# KiCad board ulx4m.kicad_pcb (continued)
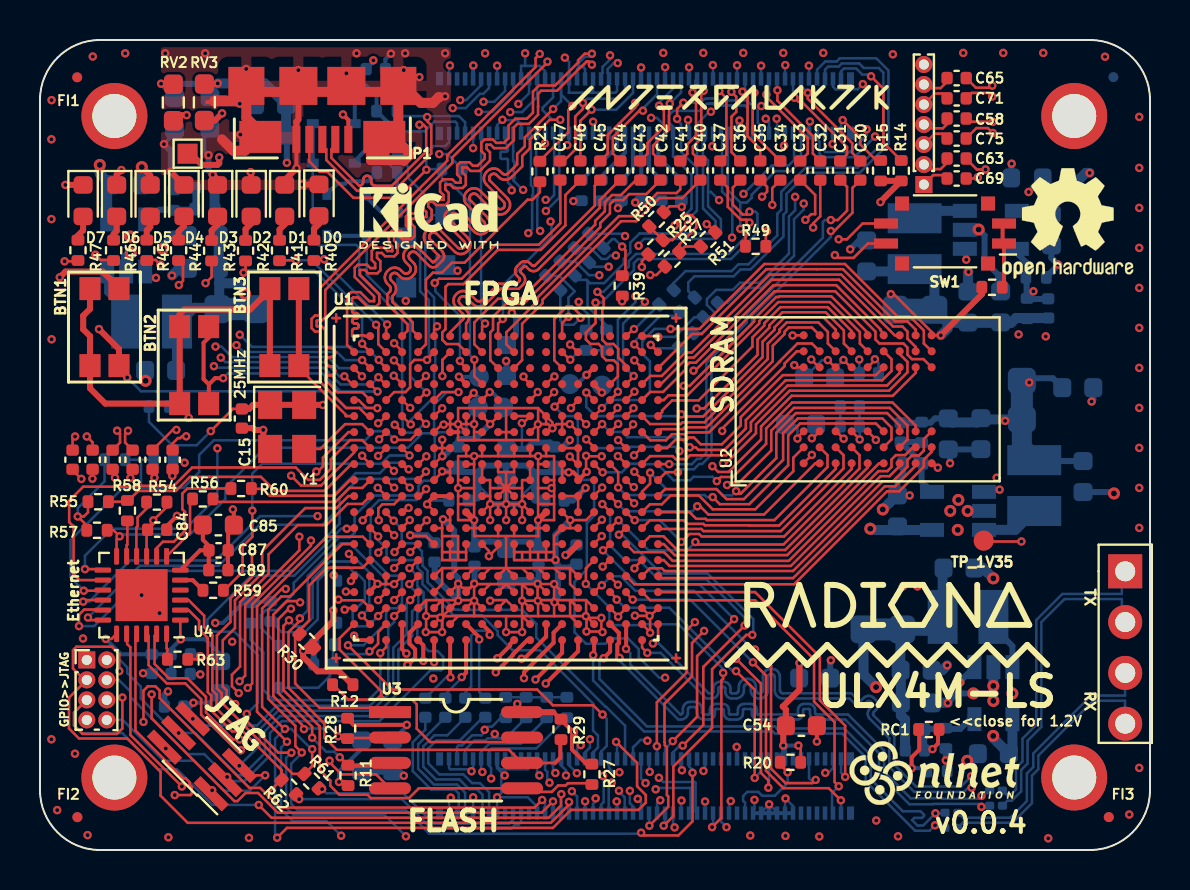
[diagram p0: board, top side]
## Routing (per net, layer and track width the routed paths; a pad name or vN(x,y) marks a point on that pad's centre or on a via; arc(x,y) is an arc through that point) (continued)
+3.3VA: length 13.5
  Top w0.127: v3(3.29,10.55) 3.58,10.55 U4.19 ; v3(7.04,10.53) 7.02,10.56 U4.1
  POWER.Cu w0.2: v3(7.04,10.53) 3.31,10.53 v3(3.29,10.55)
  Bottom w0.2: C90.1 6.56,8.8 C88.1 ; C90.1 C86.1 4.06,9.78 v3(3.29,10.55) ; C90.1 6.56,10.05 v3(7.04,10.53) 8.26,10.53 9.04,9.75 FB1.2
+5V: length 192.7
  Top w0.2: 15.42,35.23 15.42,36.5 v3(15.15,36.77)
  Top w0.3: R15.1 R14.1 42.03,32.41 v2(42.03,32.39)
  POWER.Cu w0.3: v2(28.9,32.09) 28.9,32.39 29.66,33.15 34.81,33.15 34.95,33.29 35.41,33.29 35.42,33.28 41.14,33.28 v2(42.03,32.39) 47.06,32.39 47.77,33.1 47.77,35.03 47.97,35.23 49.59,35.23 50.61,34.21 ; 46.04,3.08 45.79,3.33 45.79,4.74 46.03,4.97 v3(46.03,8.38) ; v3(5.8,28.6) 5.53,28.87 5.53,31.71 v1(2.99,34.25) 3.61,34.25 3.84,34.48 4.41,34.48 5.75,35.82 5.75,37.52 5.57,37.7 5.57,38.54 5.83,38.8 6.1,38.8 6.11,38.81 9.28,38.81 11.28,36.81 15.11,36.81 v3(15.15,36.77) ; 51.34,23.27 52.04,23.27 53.02,24.24 53.02,33.33 v3(52.49,33.85) ; v1(41.52,16.06) 44.1,16.06 45.91,14.26 51.34,14.26
  POWER.Cu w0.5: v3(47.99,18.02) 50.18,18.02 51.34,16.85 51.34,14.84 ; 50.57,34.23 50.59,34.21 52.13,34.21 v3(52.49,33.85) 48.15,29.51 v3(46.32,29.51) ; 51.34,14.84 51.34,9.38 v1(47.67,5.71) 40.04,5.71 38.41,4.08 38.28,4.08 37.97,3.77 37.97,3.27 v3(37.28,2.58) 36.76,2.58 v3(36.46,2.29) 35.95,2.29 v3(35.73,2.5) ; 51.34,14.84 51.07,15.11 51.07,20.95 51.23,21.11 51.23,23.16 51.34,23.27 ; v1(2.99,34.25) 1.85,33.11 1.85,26.63 1.17,25.95 1.17,25.25 0.95,25.04 0.95,6.21 1.45,5.7 4.81,5.7 6.75,3.76 7.35,3.76 7.73,3.39 7.73,2.08 7.43,1.78
  Bottom w0.127: v3(35.73,2.5) 35.73,2.07 35.66,1.99 ; v3(36.46,2.29) 36.06,1.88 J1.79 ; v3(36.46,2.29) 36.86,1.89 J1.83 ; v3(36.46,2.29) 36.46,2.28 J1.81 ; J1.85 37.26,2.55 v3(37.28,2.58) 37.66,2.2 J1.87
  Bottom w0.2: R13.1 28.07,32.46 R10.1 ; J1.77 J1.87
  Bottom w0.3: U5.1 46.03,8.44 v3(46.03,8.38) ; 46.25,30.06 46.32,29.99 v3(46.32,29.51) ; R10.1 29.07,32.26 v2(28.9,32.09) ; v3(5.8,28.6) 5.59,28.6 U6.1 ; U8.1 47.32,18.02 v3(47.99,18.02)
  Bottom w0.5: U5.4 48.63,4.99 C5.1 47.67,5.6 v1(47.67,5.71) ; U6.4 3.36,33.08 C1.1 2.99,33.81 v1(2.99,34.25) ; 44.61,16 41.58,16 v1(41.52,16.06) ; U7.4 50.4,31.96 52.29,33.85 v3(52.49,33.85)
/ethernet/VDDCR: length 4.2
  Top w0.2: C87.1 8.45,15.2 8.15,15.51 C85.1 ; C87.1 8.44,14.97 C89.1 ; C87.1 8.01,14.98 U4.6
/power/P1V1: length 11
  Bottom w0.3: L1.2 45.08,11.59
  Bottom w0.5: C22.1 45.14,14.05 L1.2 44.97,11.65 44.28,10.96 43.03,10.96 43.03,9 C4.1 43.05,8.98 C3.1 43.05,6.73 43.26,6.52 43.26,4.99 C2.1
GND: length 339.2
  Top w0.127: v3(20.11,10.89) v3(19.29,10.89) 19.31,10.91 v3(19.31,11.69) ; v3(20.11,10.89) 20.11,11.66 v3(20.91,12.46) ; v3(20.11,10.89) 20.11,11.53 v3(20.02,11.62) ; 19.31,12.49 v3(19.31,11.7) ; 19.31,12.49 U1.V5 ; 19.31,12.49 20.11,12.49 ; v3(19.31,11.69) 19.95,11.69 v3(20.02,11.62) ; 23.31,11.69 v3(23.31,10.89) v3(24.11,10.89) 24.11,11.69 ; 23.31,11.69 24.11,11.69 ; 23.31,11.69 21.71,11.69 ; U1.W12 24.11,11.69 ; 24.11,11.69 24.91,11.69 ; 24.11,11.69 v3(24.11,12.46) ; U1.W15 26.51,11.69 ; 26.51,11.69 26.51,12.47 ; 26.51,11.69 25.71,11.69 ; 26.51,11.69 27.29,11.69 v3(27.3,11.69) ; U1.W7 20.91,11.69 ; 20.91,11.69 21.71,11.69 ; 20.91,11.69 20.09,11.69 v3(20.02,11.62) ; U1.V16 27.31,12.49 ; 27.31,12.49 26.53,12.49 ; 27.31,12.49 27.31,11.7 v3(27.3,11.69) ; U1.V15 26.53,12.47 26.51,12.47 ; 26.51,12.47 26.53,12.49 ; U1.V13 24.93,12.47 24.91,12.47 ; 24.91,12.47 24.91,11.69 ; 24.91,12.47 24.93,12.49 ; 20.13,12.49 20.11,12.49 ; 20.13,12.49 20.88,12.49 v3(20.91,12.46) ; 20.13,12.49 20.13,11.73 v3(20.02,11.62) ; 20.11,12.49 U1.V6 ; U1.U12 24.15,13.25 24.11,13.25 ; 24.11,13.25 24.13,13.27 24.11,13.29 ; 24.11,13.25 v3(24.11,12.46) ; 22.51,13.29 23.31,13.29 ; 22.51,13.29 U1.U9 ; 22.51,13.29 21.73,13.29 v3(21.71,13.32) ; 23.31,13.29 U1.U10 ; 23.31,13.29 24.11,13.29 ; 23.31,13.29 U1.U11 ; 24.11,13.29 24.87,13.29 v3(24.88,13.31) ; 20.11,16.09 20.11,16.49 ; 20.11,16.09 20.11,15.69 ; 20.11,16.09 U1.N6 ; 20.11,16.49 20.51,16.49 ; 20.11,16.49 20.15,16.53 v3(20.15,16.53) ; 20.51,16.49 U1.N7 ; 20.51,16.49 U1.M7 ; v3(24.11,16.49) v3(24.11,17.29) ; v3(24.11,17.29) 23.71,17.29 ; v3(24.11,17.29) 24.11,17.69 ; v3(24.11,17.29) U1.M12 ; v3(22.51,16.49) v3(22.51,17.29) ; v3(22.51,17.29) U1.M9 ; v3(22.51,17.29) 22.91,17.29 ; v3(22.51,17.29) 22.51,17.69 ; 25.71,14.89 25.71,15.28 ; 25.71,14.89 25.31,14.89 ; 25.71,14.89 25.71,14.57 v3(25.78,14.5) 25.77,14.49 25.31,14.49 ; 25.71,15.28 25.71,15.69 U1.N14 26.51,16.09 ; 25.71,15.28 25.72,15.29 U1.P14 ; v3(26.51,16.49) 27.31,16.49 U1.M16 ; v3(26.51,16.49) 26.51,16.09 ; v3(26.51,16.49) U1.M14 ; 20.91,14.49 21.31,14.49 21.31,14.89 ; 20.91,14.49 20.91,14.89 ; 20.91,14.49 20.51,14.49 ; 20.91,14.89 20.91,15.69 20.11,15.69 ; 20.91,14.89 21.31,14.89 ; 20.91,14.89 20.51,14.89 ; 20.51,14.49 20.11,14.49 20.11,14.89 ; 20.51,14.49 20.51,14.89 ; U1.G11 U1.G10 ; U1.G9 21.71,20.89 ; 21.71,20.89 21.71,20.49 ; 21.71,20.89 v3(21.71,21.29) ; 23.31,22.09 24.91,22.09 ; 23.31,22.09 23.31,20.49 ; 23.31,22.09 21.71,22.09 ; 24.91,22.09 24.91,21.3 v3(24.9,21.29) ; 24.91,22.09 25.63,21.38 v3(25.63,21.09) ; 23.31,20.49 24.91,20.49 24.91,21.28 v3(24.9,21.29) ; 23.31,20.49 21.71,20.49 ; 21.71,22.09 v3(21.71,21.29) ; 21.71,22.09 20.91,22.09 v3(20.91,21.29) ; v3(21.71,21.29) 21.31,21.29 ; v3(20.91,21.29) 21.31,21.29 ; v3(20.91,21.29) 20.91,20.49 21.71,20.49 ; v3(20.91,21.29) U1.G8 ; v3(20.91,21.29) 20.21,21.29 v3(20.19,21.27) 20.09,21.27 U1.G6 ; 26.51,16.09 U1.N15 ; 23.31,18.09 U1.L11 ; 23.31,18.09 U1.K11 ; 23.31,18.09 U1.K10 ; 23.31,18.09 U1.L10 ; 23.31,18.09 24.11,18.09 ; 23.31,18.09 22.51,18.09 ; 23.31,18.09 23.31,18.89 ; 23.31,18.09 v3(23.31,17.29) ; U1.L9 22.51,17.69 ; 22.51,17.69 22.51,18.09 ; 20.11,15.69 20.11,14.89 ; U1.P8 21.31,14.89 ; U1.P7 20.51,14.89 ; 20.51,14.89 20.11,14.89 ; 24.11,17.69 U1.L12 ; 24.11,17.69 24.11,18.09 ; 26.53,12.49 25.84,12.49 v3(25.73,12.39) ; 24.91,11.69 25.71,11.69 ; 24.93,12.49 24.88,12.54 v3(24.88,13.31) ; 24.93,12.49 25.62,12.49 v3(25.73,12.39) ; 24.93,12.49 24.93,12.49 v3(24.9,12.46) v3(24.11,12.46) ; 21.71,11.69 21.71,12.47 ; 21.71,12.47 21.73,12.49 20.94,12.49 v3(20.91,12.46) ; 21.71,12.47 21.71,13.31 v3(21.71,13.32) ; 23.71,14.89 23.71,14.49 24.11,14.49 ; 23.71,14.89 24.11,14.89 ; 23.71,14.89 U1.P11 ; 24.11,14.49 24.11,14.89 ; 24.11,14.49 24.51,14.49 ; 24.11,14.89 24.51,14.89 ; 24.51,14.49 24.51,14.89 ; 24.51,14.49 24.91,14.49 ; 24.91,14.49 25.31,14.49 ; 24.91,14.49 24.91,14.89 ; 25.31,14.49 25.31,14.89 ; 24.51,14.89 24.91,14.89 ; 24.51,14.89 U1.P12 ; 24.91,14.89 25.31,14.89 ; 22.51,18.09 22.51,18.49 U1.K9 U1.J9 ; 24.11,18.09 24.11,18.49 U1.K12 U1.J12 ; 25.71,11.69 25.71,12.37 v3(25.73,12.39) ; 26.09,21.29 26.11,21.27 U1.G14 ; 26.09,21.29 26.11,21.32 U1.F14 ; 26.09,21.29 25.84,21.29 v3(25.63,21.09) ; 26.09,21.29 v3(26.49,21.29) 26.51,21.3 U1.G15 ; 25.31,14.89 U1.P13 ; 21.31,21.29 U1.F8 ; 23.71,17.29 U1.M11 ; 23.71,17.29 v3(23.31,17.29) ; U1.M10 22.91,17.29 ; 22.91,17.29 v3(23.31,17.29) ; 23.31,18.89 22.91,18.89 U1.J10 ; 23.31,18.89 23.71,18.89 U1.J11 ; 20.51,18.89 U1.J7 ; 20.51,18.89 U1.K7 ; 20.51,18.89 20.15,18.89 v3(20.11,18.93) 20.11,18.9 U1.K6 ; 26.11,18.89 U1.K14 ; 26.11,18.89 U1.J14 ; 26.11,18.89 26.43,18.89 v3(26.44,18.89) 26.52,18.89 ; U1.F7 U1.G7 ; 25.31,21.29 U1.F13 ; 25.31,21.29 25.42,21.29 v3(25.63,21.09) ; 25.31,21.29 24.91,21.29 v3(24.9,21.29) ; U1.U4 v3(17.71,12.49) ; U1.R4 v3(17.71,14.09) ; v3(24.9,21.29) 24.9,21.29 U1.G12 ; v3(23.31,17.29) v3(23.31,16.49) ; U2.J1 44.68,19.33 v3(44.9,19.11) ; v3(20.91,12.46) 20.91,12.47 v3(20.91,13.32) ; v3(20.91,12.46) 20.88,12.46 U1.V7 ; v3(20.02,11.62) 20.02,11.6 U1.W6 ; U2.A3 37.88,20.62 v3(37.88,20.57) ; 28.13,19.7 28.11,19.68 v3(28.09,19.68) ; v3(25.73,12.39) 25.71,12.41 v3(25.71,13.3) ; v3(25.73,12.39) 25.82,12.39 U1.V14 ; v3(26.52,24.52) 26.49,24.52 U1.B14 ; U1.V8 21.68,12.46 v3(21.71,12.46) 21.74,12.46 U1.V9 ; v3(16.14,16.48) 16.14,16.52 U1.M2 ; v3(8.02,9.69) 7.86,9.53 R63.2 ; U1.B7 20.12,24.5 ; 20.12,24.5 v3(20.12,23.7) 20.12,24.5 ; v3(24.11,12.46) 24.14,12.46 U1.V12 ; v2(14.48,4.46) 14.48,4.39 15.09,3.78 16.81,3.78 U3.4 ; v3(25.63,21.09) 25.44,20.89 U1.G13 ; v3(36.35,30.93) 36.3,30.88 R49.2 ; v3(25.71,13.3) 25.71,13.29 U1.U14 ; v3(25.71,13.3) 24.9,13.3 v3(24.88,13.31) ; U2.C3 39.82,20.93 v3(40.19,20.56) ; v3(27.31,19.71) 27.34,19.71 27.34,19.7 ; v3(27.31,19.71) 27.31,18.93 v3(27.34,18.91) 27.32,18.91 ; v3(27.31,19.71) 27.33,19.69 v3(28.09,19.69) ; v3(30.49,11.71) 30.51,11.68 v3(30.51,10.86) 30.51,10.89 U1.W19 ; v3(30.49,11.71) 30.49,11.72 U1.V19 ; v3(30.49,11.71) 29.76,11.71 v3(29.75,11.71) ; v3(28.09,19.68) 28.11,19.7 ; v3(27.3,11.69) 27.33,11.66 v3(27.33,10.92) 28.1,10.92 v3(28.13,10.89) 28.07,10.95 v3(28.07,11.61) 27.38,11.61 v3(27.3,11.69) ; v3(27.3,11.69) 27.31,11.69 U1.W16 ; v3(16.11,19.71) 16.11,19.69 U1.J2 ; v3(20.91,13.32) 20.91,13.3 U1.U7 ; v3(20.91,13.32) 21.12,13.11 21.5,13.11 v3(21.71,13.32) ; U2.E3 41.8,20.52 v3(41.8,20.5) ; U1.V20 30.51,11.69 ; U1.C19 v3(29.72,24.48) ; 8.56,2.92 J3.1 8.56,2.94 v3(8.61,2.99) ; R50.2 31.48,32.18 32.07,32.18 v3(32.09,32.16) ; U1.H19 30.07,20.09 v3(29.71,19.73) ; U1.G4 v3(17.74,21.27) ; R39.2 29.12,27.44 v3(29.11,27.43) ; v3(24.88,13.31) 24.89,13.31 U1.U13 ; U2.A1 38.19,19.34 v3(38.6,19.75) ; U1.D4 17.69,23.71 v3(17.69,23.71) ; v3(21.71,13.32) 21.71,13.3 U1.U8 ; U2.B7 38.96,24.13 v3(38.57,24.52) ; v3(33.34,31.29) 33.37,31.29 R51.2 ; U1.G17 28.91,21.3 v3(28.91,21.3) ; v3(40.18,24.5) 40.55,24.13 U2.D7 ; U1.R19 29.73,14.11 v3(29.73,14.08)
  Top w0.2: v3(20.26,37.68) 20.22,37.64 19.98,37.64 ; 12.82,35.23 12.82,34.1 v3(12.83,34.09) ; C85.2 9.7,16.98 v3(9.65,17.03) ; 38.85,6.25 v2(38.85,5.42) ; U1.G7 20.91,20.89 ; 9.3,37.48 9.21,37.39 8.36,37.39 ; v3(6.85,16.7) 6.34,16.19 C84.2 ; 9.43,16.27 9.41,16.26 C87.2 9.4,14.97 C89.2 ; v3(26.44,18.89) 26.67,18.89 26.91,18.64 U1.K15 26.92,18.49 v3(27.34,18.91)
  Top w0.3: D2.1 10.56,33.87 v3(10.54,33.89) ; v3(1.27,33.25) 1.27,33.25 D7.1 ; 12.82,35.23 12.82,36.41 12.92,36.51 v3(12.92,38.99) ; v3(4.07,34) 3.84,33.76 D6.1 ; 30.51,11.69 30.5,11.69 v3(30.49,11.71) ; v3(12.83,34.09) 12.24,33.5 D1.1 ; v3(18.19,38.99) 17.92,38.72 17.92,37.9 ; v1(5.09,34.14) 5.52,33.72 D5.1 ; D4.1 7.19,33.25 v2(6.53,33.91) ; 10.32,37.9 10.32,39.04 v3(10.31,39.05) ; 20.93,12.51 20.91,12.5 v3(20.91,12.46) ; D3.1 8.88,33.52 v3(8.64,33.77) ; 15.32,37.9 v3(15.32,38.83) ; v3(26.44,18.89) 26.45,18.89 26.51,18.89 ; D0.1 13.11,33.28 v3(13.11,33.27) ; C15.2 10.64,21.09 10.73,21 v2(11.17,21) 11.17,20.4 Y1.2
  Top w0.5: 17.22,35.35 17.97,35.35 18.46,34.86 18.46,34.72 18.2,34.46 18.17,34.49 16.55,34.49 16.55,34.68 17.22,35.35 ; 17.22,35.35 17.22,34.5 17.21,34.49 ; 17.22,35.35 17.22,35.55 17.92,36.25 17.92,37.9 ; 17.22,35.35 17.92,35.35 ; 17.92,37.9 18.49,37.9 19.04,37.35 19.65,37.35 19.94,37.64 19.98,37.64 ; 17.92,37.9 10.32,37.9 ; 10.32,37.9 10.32,36.6 11.02,35.9 11.02,35.35 10.64,35.35 10.25,34.96 9.67,34.96 9.1,35.53 ; 10.32,37.9 9.85,37.43 8.71,37.43 8.76,37.48 9.3,37.48
  Bottom w0.127: 21.91,18.9 21.91,18.92 ; 25.92,12.7 25.92,12.72 25.89,12.74 ; 21.91,17.58 21.81,17.47 C14.2 ; J2.7 v3(21.66,35.1) ; v3(31.02,2.49) 30.86,2.33 J1.53 ; J2.31 26.46,35.33 v3(26.37,35.24) ; J1.23 24.86,2.17 24.39,2.64 v3(22.86,2.64) ; J2.20 24.06,39.21 ; v3(26.85,3.84) 26.46,4.23 26.46,4.7 ; v3(33.26,2.42) 33.26,2.42 J1.65 ; v2(39.64,35.3) 39.66,35.32 J2.97 ; v3(22.51,17.29) 22.51,17.64 21.91,18.24 21.91,18.33 ; J2.68 33.66,39.24 v2(33.65,39.24) ; v3(20.54,2.62) 20.46,2.54 J1.1 ; v3(21.58,3.94) 21.48,4.03 20.52,4.03 20.46,4.1 J1.2 ; v3(21.58,3.94) 21.66,4.02 J1.8 ; v3(21.58,3.94) 21.6,3.94 ; v2(31.26,39.14) 31.26,39.14 J2.56 ; J2.80 36.06,39.21 v2(36.06,39.21) ; 27.69,37.86 28.78,37.86 28.86,37.95 28.86,38.4 ; 27.69,37.86 26.44,37.86 26.46,37.88 J2.32 26.46,39.41 v3(26.25,39.62) ; 27.69,37.86 27.66,37.9 J2.38 ; C79.2 C81.2 39.97,21.13 39.97,20.78 v3(40.19,20.56) ; v3(40.18,24.5) 39.77,24.09 C78.2 ; J1.7 21.66,2.63 v3(21.66,2.64) ; 24.27,39.2 24.26,39.21 v3(24.26,39.83) ; 24.27,39.2 25,39.2 25.26,38.94 J2.26 ; 24.27,39.2 24.06,39.2 ; 25.71,14.45 25.76,14.5 v3(25.78,14.5) ; v3(39.27,3.86) 39.42,3.86 39.66,4.1 J1.98 ; v3(30.49,3.91) 30.46,3.94 J1.52 ; J2.74 34.86,39.23 v2(34.86,39.23) ; J1.33 26.86,1.85 26.86,2.67 v3(26.6,2.93) ; J1.22 24.46,4.1 24.39,4.03 23.01,4.03 22.86,4.19 J1.14 ; v3(28.84,2.43) 28.86,2.41 J1.43 ; J2.92 38.46,39.21 v2(38.45,39.21) ; J1.60 32.06,4.03 v3(32.1,3.99) ; J2.73 34.86,36.35 v2(34.98,36.47) ; v3(26.52,24.52) 26.99,24.98 R52.2 R48.2 ; v3(18.29,27.46) 18.31,27.47 D9.2 ; J2.62 32.46,39.13 v2(32.46,39.13) ; J2.91 38.46,36.38 v3(38.5,36.42) ; v3(22.86,2.64) 23.07,2.85 23.07,3.89 22.86,4.1 J1.14 ; v3(22.86,2.64) 22.86,2.64 J1.13 ; v2(33.62,35.18) 33.66,35.22 J2.67 ; v3(37.88,20.57) 37.88,21.12 37.72,21.28 C82.2 ; v3(34.54,2.45) 34.46,2.36 J1.71 ; 22.86,38.4 22.86,39.21 v3(22.86,39.21) ; v2(7.23,19.36) 7.08,19.51 C83.1 ; J2.79 36.06,36.2 35.89,36.37 35.89,37.02 v3(36.07,37.2) ; J2.50 30.06,39.12 v2(30.06,39.12) ; v3(25.25,35.33) 25.26,35.33 J2.25 ; v3(32.08,2.47) 32.06,2.45 J1.59 ; J1.14 22.86,4.11 v3(23.24,3.73) ; v3(33.18,3.95) 33.26,4.03 J1.66 ; v3(20.88,28.96) 20.6,29.24 D8.2 ; v3(34.84,5.15) 34.86,5.14 J1.74 ; v3(24.11,17.29) 24.11,17.73 24.71,18.33 ; J2.19 24.06,36.3 23.87,36.49 23.14,36.49 v2(23.12,36.51) 22.86,36.25 22.86,35.69 ; v3(37.21,35.21) 37.26,35.26 J2.85 ; J2.61 32.46,36.45 v2(32.41,36.51) ; J2.37 27.66,36.41 v2(27.66,36.41) ; v3(30.56,36.6) 30.86,36.6 31.26,36.2 J2.55 ; J1.42 28.46,4.1 28.67,3.89 v3(28.97,3.89) ; C80.2 v3(40.97,24.53) ; v2(41.15,38.29) 40.89,38.03 39.79,38.03 39.66,38.17 J2.98 ; J2.86 37.26,39.23 v2(37.27,39.24) ; R17.1 26.69,32.46 v3(26.67,32.45) ; 26.46,18.89 v3(26.44,18.89)
  Bottom w0.2: C88.2 8,8.79 v3(8.02,8.78) ; v2(8.43,34.74) 8.22,34.95 8.22,35.77 C53.2 ; J2.8 21.66,39.21 v3(21.67,39.22) ; v3(8.02,9.69) 7.92,9.78 C90.2 ; v3(32.09,32.16) 32.07,32.18 R9.1 32.11,32.43 ; v3(6.2,35.29) 6.73,35.82 C49.2 ; v3(17.55,39.81) 17.27,39.53 C18.2 ; 45.34,3.94 45.34,4.44 v2(45.3,4.48) ; v3(5.15,8.84) 5.17,8.82 C86.2 ; 10.76,37.26 10.04,37.26 v3(9.99,37.31)
  Bottom w0.3: v1(46.68,7.83) 45.88,7.83 v2(45.4,7.35) ; 46.65,4.81 46.65,4.56 ; 45.3,5.1 v2(45.3,4.48) ; 24.71,18.89 24.71,17.51 24.75,17.47 C13.2 ; 24.71,18.89 24.39,19.22 23.36,19.22 ; 24.71,18.89 26.51,18.89 ; 21.91,17.58 21.91,18.9 20.94,18.9 ; 23.36,19.22 22.21,19.22 21.91,18.92 ; 23.36,19.22 23.31,19.17 v3(23.31,17.29) ; 25.9,13.25 25.89,12.74 ; 25.9,13.25 25.9,14.13 ; 25.9,13.25 25.85,13.3 v3(25.71,13.3) ; 25.71,14.45 25.9,14.27 ; 25.9,14.27 25.78,14.38 v3(25.78,14.5) 25.78,15.76 v3(26.51,16.49) ; 25.9,14.27 25.9,14.13 ; 25.6,18.9 25.61,18.89 25.75,18.89 ; C48.2 10.05,35.74 v3(10.02,35.77) ; 25.9,14.13 26.52,14.13 26.68,14.29 C29.2 ; v3(22.51,17.29) v3(23.31,17.29) ; v3(23.31,17.29) v3(24.11,17.29) ; 23.33,13.5 24.69,13.5 v3(24.88,13.31) 24.93,13.36 C28.2 ; C52.2 49.44,32.9 v3(49.44,32.9) ; v3(6.2,35.29) 6.53,34.96 v2(6.53,33.91) 6.69,33.75 6.69,32.97 ; v1(6.13,30.05) 6.13,30.26 6.59,30.72 ; v3(20.15,16.53) 20.71,15.98 20.71,13.8 20.91,13.6 v3(20.91,12.46) 19.74,13.64 19.74,14.42 ; v3(39.55,9.48) 39.52,9.45 C16.2 ; 52.16,17.9 53.64,17.9 v1(53.71,17.83) ; C50.2 C51.2 17.99,3.92 v2(18.19,3.71) ; C24.2 40.96,30.48 v3(40.51,30.04) ; 20.93,18.92 20.12,18.92 v3(20.11,18.93) ; C19.2 23.81,25.73 23.81,26.64 v2(23.6,26.85) ; 25.75,18.89 25.73,18.91 C25.2 ; 25.75,18.89 26.51,18.89 ; C21.2 6.22,7.75 v3(6.4,7.93) ; C9.2 50.58,29.61 v2(50.91,29.27) 50.91,29.25 50.3,28.63 ; 43.16,19.33 43.16,18.83 42.88,18.54 C76.2 43.48,17.73 v3(43.49,17.72) ; v2(8.43,34.74) 8.43,33.98 v3(8.64,33.77) ; v3(26.44,18.89) 26.45,18.89 26.51,18.89 ; v3(21.71,13.32) 21.73,13.33 C27.2 ; C98.2 52.68,22.51 v3(52.59,22.42) ; 25.92,12.7 25.73,12.52 v3(25.73,12.39) ; 48.02,28.66 47.24,29.44 47.24,30.73 v1(46.94,31.03) ; v3(45.51,19.34) 45.51,19.94 C95.2 47.05,20.03 C96.2
  Bottom w0.5: C3.2 v2(45.4,7.35) ; U5.2 47.68,8.21 v1(47.68,8.2) ; C4.2 45.12,8.99 v2(45.37,9.24) ; C1.2 v1(5.09,34.14) ; 47.21,16.95 46.4,16.95 v1(46.39,16.95) ; v1(4.54,29.85) 4.31,29.62 U6.2 ; 5.26,23.98 5.26,23.48 v1(5.28,23.46) ; v1(46.37,4.46) 46.55,4.46 C5.2 ; 48.02,28.66 48.04,28.64 48.04,27.93 ; U7.2 46.97,31.01 ; C76.2 42.85,17.73 v1(42.15,17.03) ; v1(47.67,13.58) 47.16,14.1 C22.2 ; v2(46.43,28.9) 46.41,28.88 C8.2 ; C11.2 6.59,30.72 ; v2(6.6,28.72) 6.96,29.08 C12.2
  vias: v1(4.51,30.67) v1(45.52,16.95) v1(45.93,17.5) v1(45.9,16) v1(47.68,7.45) v1(48.62,7.83) v3(0.58,37.49) v3(0.57,35.53) v3(0.57,31.54) v3(0.58,25.53) v3(0.57,5.53) v3(0.86,1.99) v3(1.75,4.81) v3(2.15,10.57) v3(2.38,0.74) v3(2.64,39.67) v3(4.26,39.83) v3(5.08,12.74) v3(5.98,11.84) v3(6.26,39.83) v3(6.42,0.63) v3(8.26,39.83) v3(10.45,0.6) v3(15.83,39.83) v3(18.26,39.83) v3(18.97,38.64) v3(20.26,39.83) v3(22.26,39.83) v3(31.17,39.85) v3(33.17,39.85) v3(35.17,39.85) v3(35.52,0.72) v3(37.17,39.85) v3(37.28,0.7) v3(38.97,0.67) v3(39.17,39.85) v3(41.82,1.47) v3(42.65,39.78) v3(42.91,0.68) v3(43.15,13.18) v3(43.88,13.18) v3(46.17,39.85) v3(47.84,18.61) v3(48.17,39.85) v3(48.94,25.78) v3(50.17,39.85) v3(50.3,25.68) v3(50.42,0.58) v3(53.26,39.66) v3(54.47,1.77) v3(54.97,36.65) v3(54.97,34.1) v3(54.97,32.1) v3(54.97,30.1) v3(54.97,28.1) v3(54.97,26.1) v3(54.97,24.1) v3(54.97,22.1) v3(54.97,20.1) v3(54.97,18.1) v3(54.97,16.1) v3(54.97,4.1)
/blinkey/ALED0: length 1.3
  Top w0.3: D0.2 13.95,31.3 13.7,31.05 13.7,30.46
/blinkey/ALED1: length 1.3
  Top w0.3: 11.98,30.45 11.98,31.02 12.24,31.28 D1.2
/blinkey/ALED2: length 1.3
  Top w0.3: 10.28,30.44 10.28,31.04 10.56,31.32 D2.2
/blinkey/ALED3: length 1.4
  Top w0.3: D3.2 8.88,31.26 8.59,30.97 8.59,30.44
/blinkey/ALED4: length 1.3
  Top w0.3: 6.93,30.46 6.93,30.92 7.2,31.19 D4.2
/blinkey/ALED5: length 1.3
  Top w0.3: 5.34,30.46 5.34,30.98 5.52,31.16 D5.2
/blinkey/ALED6: length 1.3
  Top w0.3: D6.2 3.84,30.95 3.68,30.79 3.68,30.46
/blinkey/ALED7: length 1.3
  Top w0.3: 1.9,30.46 1.9,30.72 2.16,30.98 D7.2
/ethernet/ETH_7: length 3.4
  Top w0.127: U4.7 7.5,15.86 7.5,17.43 R56.1
/ethernet/ETH_8: length 6.6
  Top w0.127: U4.8 5.83,15.09 6.15,15.41 6.7,15.41 7.25,15.97 7.25,16.91 7.12,17.04 7.12,17.83 7.37,18.07 R60.1
/ethernet/ETH_10: length 2.9
  Top w0.127: R54.1 5.33,17.07 4.88,16.63 4.88,16.19 4.82,16.12 4.82,14.69 U4.10
/ethernet/ETH_11: length 1.8
  Top w0.127: U4.11 4.33,15.23 4.37,15.27 R58.2
/ethernet/RBIAS: length 1.3
  Top w0.127: U4.24 6.33,10.08 6.37,10.04 R63.1
/ethernet/XTAL: length 1.3
  Top w0.2: R59.1 7.64,13.49 U4.5
/flash/FLASH_MISO: length 16.3
  Top w0.127: v3(13.2,6.04) 13.1,6.14 13.1,6.26 11.67,7.7 11.67,11.76 12.35,12.44 12.94,12.44 v3(13.01,12.38) ; U3.2 17.48,5.6 15.38,5.6 ; U1.V2 16.12,12.49 14.95,12.49 v3(14.92,12.52)
  Top w0.2: 15.38,5.6 15,5.6 v3(14.91,5.69)
  In2signal.Cu w0.127: v3(13.01,12.38) 13.15,12.52 v3(14.92,12.52)
  Bottom w0.127: v3(13.2,6.04) 13.23,6.07 14.52,6.07 v3(14.91,5.69)
/flash/FLASH_MOSI: length 33.1
  Top w0.127: v3(12.45,11.49) 12.17,11.21 12.17,7.99 13.99,6.17 13.99,4 14.52,3.47 14.52,3.21 14.97,2.76 16.38,2.76 16.55,2.59 18.45,2.59 18.94,3.08 24.11,3.08 ; 24.11,3.08 24.28,2.9 25.59,2.9 25.91,3.23 26.29,3.23 26.4,3.34 27.57,3.34 27.6,3.3 ; 24.11,3.08 24.23,2.96 ; U1.W2 16.1,11.71 v3(16.1,11.73)
  Bottom w0.127: v3(16.1,11.73) 16.47,12.1 16.47,13.87 15.92,14.42 14.49,14.42 13.63,13.56 13.63,11.61 13.19,11.17 12.76,11.17 v3(12.45,11.49)
/flash/FLASH_nCS: length 14.1
  Top w0.127: U1.R2 16.13,14.11 14.35,14.11 13.46,13.22 13.46,11.47 12.76,10.77 12.76,8.32 13.98,7.1 17.29,7.1 U3.1
/flash/FLASH_nHOLD: length 16.3
  Top w0.127: U1.W1 15.69,11.29 14.98,10.59 14.98,10.02 17.06,7.95 17.06,7.73 ; 17.06,7.73 16.85,7.52 15.4,7.52 14.66,8.26 ; 17.06,7.73 17.27,7.51 18.61,7.51 18.84,7.28 18.84,6.06 19.51,5.4 23.88,5.4 24.11,5.62
/flash/FLASH_nWP: length 16.9
  Top w0.127: v3(13.61,5.61) 13.61,6.16 11.92,7.86 11.92,11.54 12.44,12.06 v3(12.55,12.06) ; 15.12,4.21 15.15,4.24 R11.2 15.01,4.63 v3(14.99,4.63)
  Top w0.19: 16.51,10.47 U1.Y2 15.93,10.49 v3(15.71,10.71)
  Top w0.2: 15.41,4.21 17.36,4.21 U3.3
  In2signal.Cu w0.127: v3(12.55,12.06) 12.63,11.98 13.18,11.98 13.67,11.49 14.93,11.49 v3(15.71,10.71)
  Bottom w0.127: v3(14.99,4.63) 14.71,4.91 14.31,4.91 v3(13.61,5.61)
/flash/FLASH_SCK: length 29.8
  Top w0.127: 25.76,4.35 24.11,4.35 23.45,5.01 14.84,5.01 14.23,5.62 14.23,6.3 12.43,8.11 12.43,10.89 12.99,11.46 v3(12.99,11.58) ; v3(16.91,12.49) U1.U3
  Top w0.2: 25.76,4.35 26.02,4.61 26.02,5.51 26.06,5.55
  Bottom w0.127: v3(12.99,11.58) 13.39,11.98 13.39,13.7 15.02,15.33 15.5,15.33 17.26,13.57 17.26,12.84 v3(16.91,12.49) 16.91,12.61
/flash/FPGA_DONE: length 12.4
  Top w0.127: v3(17.02,9.85) 17.31,10.14 U1.Y3
  Bottom w0.127: v3(17.02,9.85) 17.02,8.09 16.42,7.49 11.68,7.49 11.17,8 11.17,9.87 10.53,10.51 10.53,11.33
/flash/FPGA_INITN: length 12.1
  Top w0.127: U1.V3 v3(16.91,11.69)
  Bottom w0.127: 11.53,11.45 12.09,10.89 13.25,10.89 13.89,11.53 13.89,13.47 14.56,14.14 15.43,14.14 15.69,13.88 15.8,13.88 16.24,13.44 16.24,12.5 15.64,11.89 15.64,11.44 15.9,11.18 16.4,11.18 v3(16.91,11.69)
/flash/FPGA_PROGRAMN: length 9.4
  Top w0.127: U1.W3 16.91,10.89 16.91,10.31 16.52,9.93 v3(16.48,9.93)
  Bottom w0.127: v3(16.48,9.93) 16.34,9.79 15.2,9.79 R31.2 ; D28.2 13.92,8.11 14.5,8.69 14.5,9.13 C99.1 14.65,10.2 R31.2 ; R31.2 14.72,11.19 D15.2
/gpio/CAM0_D0_LP: length 11.8
  Top w0.127: R21.2 25,32.88 24.63,32.51 24.38,32.51 21.23,29.36 20.6,29.36 20.1,28.86 19.65,28.86 19.3,28.52 19.3,25.29 U1.B5
/power/FB1: length 5.6
  Top w0.2: v3(44.63,5.04) 44.91,5.32 44.91,6 44.93,6.02
  Bottom w0.2: C2.2 44.3,5.04 v3(44.63,5.04)
  Bottom w0.3: C2.2 44.22,4.99 44.22,6.03 44.25,6.06 46.03,6.06 46.52,6.54 U5.5 46.53,6.74
  Bottom w0.5: 44.26,5.01 C2.2
/power/FB2: length 3.8
  Bottom w0.3: U6.5 5.48,31.53 5.96,32.01 7.74,32.01 7.77,32.04 7.77,33.08 C10.2
/power/FB3: length 4.1
  Bottom w0.3: 48.65,29.86 48.85,30.06 48.85,29.84 49.33,29.36 49.33,27.58 49.37,27.55 50.41,27.55 50.41,27.56
  vias: v2(49.68,27.93)
/power/FB4: length 4.2
  Bottom w0.3: U8.5 44.09,18.43 44.09,19.36 C77.2 44.1,20.4
/power/L1: length 2.9
  Bottom w0.3: 47.78,11.65 48.21,11.22 48.21,10.62 48.63,10.2 U5.3
/power/L2: length 2.9
  Bottom w0.3: U6.3 3.36,27.88 3.79,27.45 3.79,26.85 4.22,26.42
/power/L3: length 2.7
  Bottom w0.5: U7.3 44.12,31.96 L3.1
/power/L4: length 2.9
  Bottom w0.5: L4.1 48.78,16 U8.3
/serdes/1N: length 15.8
  Bottom w0.127: C91.1 48.38,2.72 48.5,2.72 48.81,3.04 48.81,4.11 49.13,4.43 49.13,5.57 49.82,6.26 49.82,11.5 51.13,12.8 54.1,12.8 54.1,13.76 J4.1
/serdes/1P: length 15.8
  Bottom w0.127: C92.1 48.38,2.47 48.6,2.47 49.07,2.93 49.07,4 49.39,4.32 49.39,5.46 50.08,6.15 50.08,11.39 51.23,12.55 54.1,12.55 54.1,11.56 J4.2
/serdes/2N: length 13.3
  Bottom w0.127: C93.1 46.15,1.62 48.52,1.62 49.35,2.45 49.35,3.83 49.67,4.15 49.67,4.83 52.57,7.72 54.26,7.72 54.26,8.84 J4.3
/serdes/2P: length 13.4
  Bottom w0.127: J4.4 54.26,6.32 54.26,7.47 52.67,7.47 49.93,4.72 49.93,4.04 49.61,3.72 49.61,2.34 48.63,1.36 46.15,1.36 C94.1
/serdes/CLK_0_N: length 30.1
  Top w0.127: C66.1 1.63,18.99 v3(2.07,18.55)
  Top w0.2: v3(22.79,8.89) 23.65,9.74 23.65,9.77 24.37,10.49 U1.Y12
  In2signal.Cu w0.127: v3(22.79,8.89) 21.51,7.61 11.52,7.61 10.11,9.01 9.55,9.01 2.36,16.21 2.36,18.26 v3(2.07,18.55)
/serdes/CLK_0_P: length 30.1
  Top w0.127: C59.2 2.63,18.57 v3(2.62,18.57)
  Top w0.2: U1.Y11 23.51,10.29 23.51,10.22 v3(22.87,9.59)
  In2signal.Cu w0.127: v3(22.87,9.59) 22.85,9.59 22.45,9.18 22.24,9.18 21.76,9.66 21.55,9.66 21.55,9.45 22.03,8.97 22.03,8.76 21.13,7.86 11.59,7.86 10.21,9.24 9.68,9.24 2.62,16.3 v3(2.62,18.57)
/serdes/CLK_1_N: length 69.4
  Top w0.127: v3(46.89,33.63) 46.84,33.57 C69.1 ; v3(30.65,10.33) 30.91,10.59 U1.W20
  In2signal.Cu w0.127: v3(46.89,33.63) 47.08,33.63 47.37,33.34 47.39,33.3 47.41,33.26 47.42,33.22 47.42,33.18 47.41,33.13 47.39,33.09 47.37,33.06 47.17,32.87 47.15,32.83 47.13,32.79 47.12,32.75 47.12,32.7 47.13,32.66 47.15,32.62 47.17,32.58 47.21,32.56 47.25,32.54 47.29,32.53 47.34,32.53 47.38,32.54 47.42,32.56 47.46,32.58 47.65,32.77 47.68,32.8 47.72,32.82 47.77,32.83 47.81,32.83 47.86,32.82 47.9,32.8 47.93,32.77 47.96,32.74 47.98,32.7 47.99,32.66 47.99,32.61 47.98,32.57 47.96,32.53 47.93,32.49 47.74,32.3 47.71,32.27 47.69,32.23 47.68,32.18 47.68,32.14 47.69,32.09 47.71,32.05 47.74,32.02 47.77,31.99 47.82,31.97 47.86,31.96 47.9,31.96 47.95,31.97 47.99,31.99 48.02,32.02 48.21,32.21 48.25,32.24 48.29,32.26 48.33,32.27 48.38,32.27 48.42,32.26 48.46,32.24 48.5,32.21 48.83,31.87 49.71,31.87 50.07,31.51 50.09,31.49 50.1,31.46 50.11,31.43 50.11,31.39 50.1,31.36 50.09,31.33 50.07,31.31 49.96,31.2 49.91,31.13 49.87,31.06 49.85,30.97 49.85,30.89 49.87,30.81 49.91,30.73 49.96,30.66 50.03,30.6 50.1,30.54 50.17,30.51 50.26,30.49 50.34,30.49 50.42,30.51 50.5,30.54 50.57,30.6 51.15,31.18 51.18,31.2 51.21,31.22 51.24,31.22 51.27,31.22 51.31,31.22 51.34,31.2 51.36,31.18 51.4,31.15 51.42,31.12 51.43,31.09 51.44,31.06 51.44,31.02 51.43,30.99 51.42,30.96 51.4,30.94 50.81,30.35 50.76,30.28 50.72,30.21 50.7,30.13 50.7,30.04 50.72,29.96 50.76,29.88 50.81,29.82 50.88,29.75 50.95,29.69 51.02,29.66 51.11,29.64 51.19,29.64 51.27,29.66 51.35,29.69 51.42,29.75 52,30.33 52.03,30.35 52.06,30.37 52.09,30.37 52.12,30.37 52.15,30.37 52.18,30.35 52.21,30.33 52.25,30.3 52.27,30.27 52.28,30.24 52.29,30.21 52.29,30.18 52.28,30.14 52.27,30.11 52.25,30.09 51.66,29.5 51.61,29.44 51.57,29.36 51.55,29.28 51.55,29.19 51.57,29.11 51.61,29.03 51.66,28.97 51.73,28.9 51.8,28.85 51.87,28.81 51.95,28.79 52.04,28.79 52.12,28.81 52.2,28.85 52.26,28.9 52.37,29 52.4,29.03 52.43,29.04 52.46,29.05 52.49,29.05 52.52,29.04 52.55,29.03 52.58,29 53.09,28.49 53.09,20.25 52.13,19.29 52.13,17.31 49.27,14.44 49.27,6.45 47.66,4.84 47.66,4.77 v3(46.57,3.68)